# Altium PCB PicoPrint.PcbDoc (part 1 of 3)
Units mm, origin at the board's own origin, x right, y up, seen from the top; angles counter-clockwise.
Board outline 110 x 64 mm, 4 copper layers (Component Side, Ground Plane, Power Plane, Solder Side), stack 0.844 mm thick; 295 components, 209 nets, 1313 pads, 473 vias.
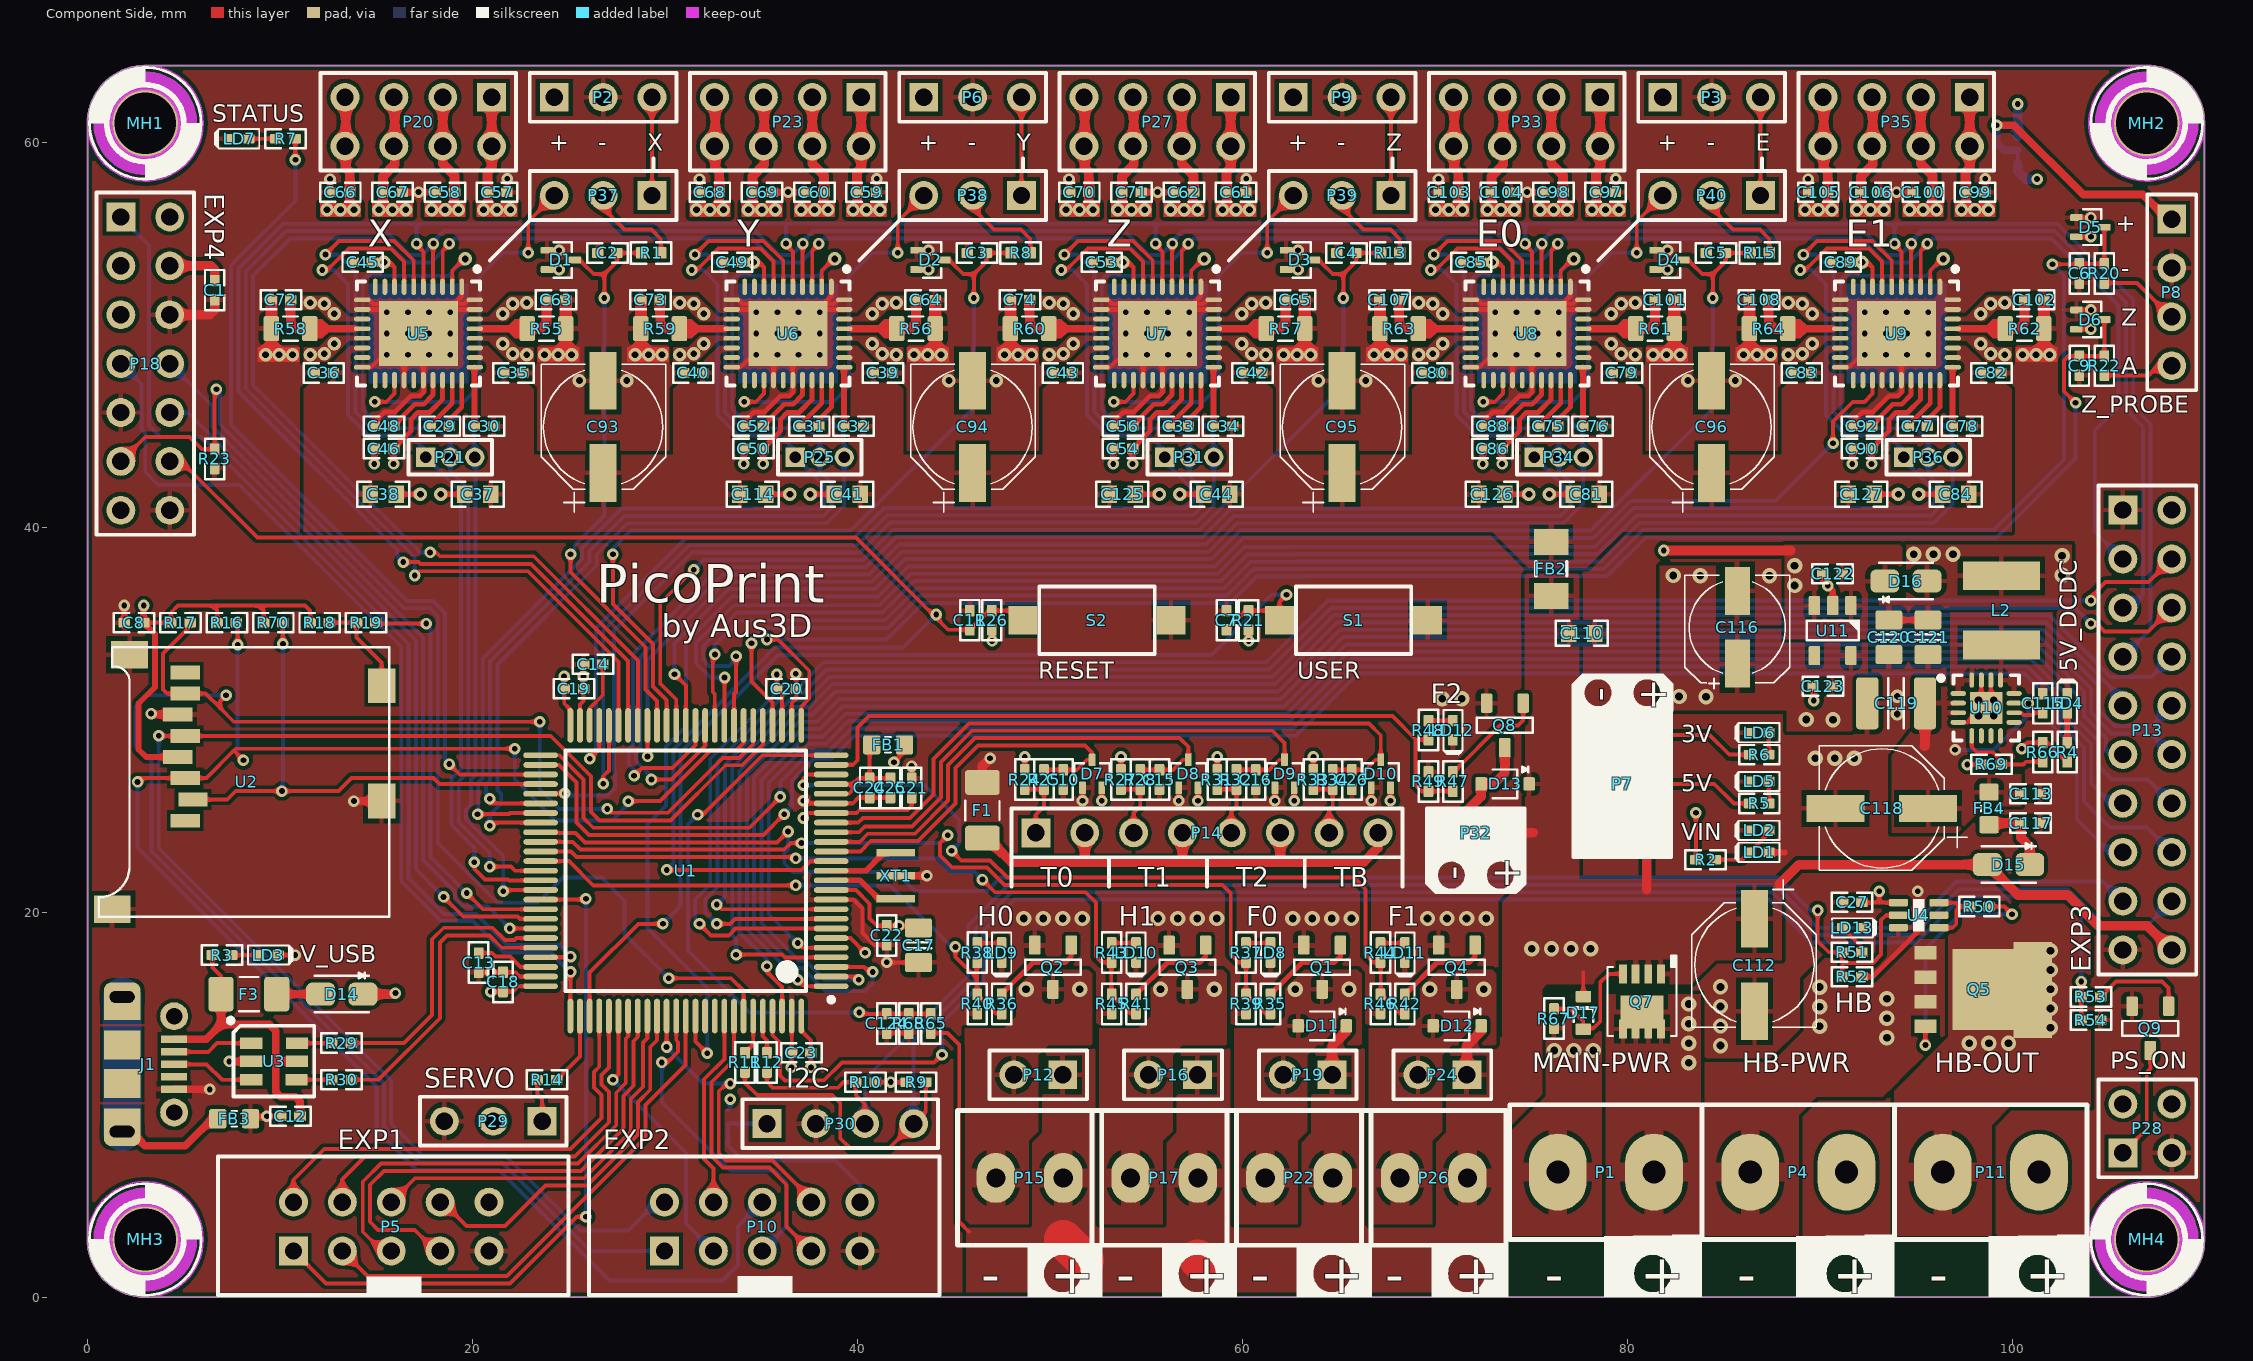
[diagram p0: Component Side view]
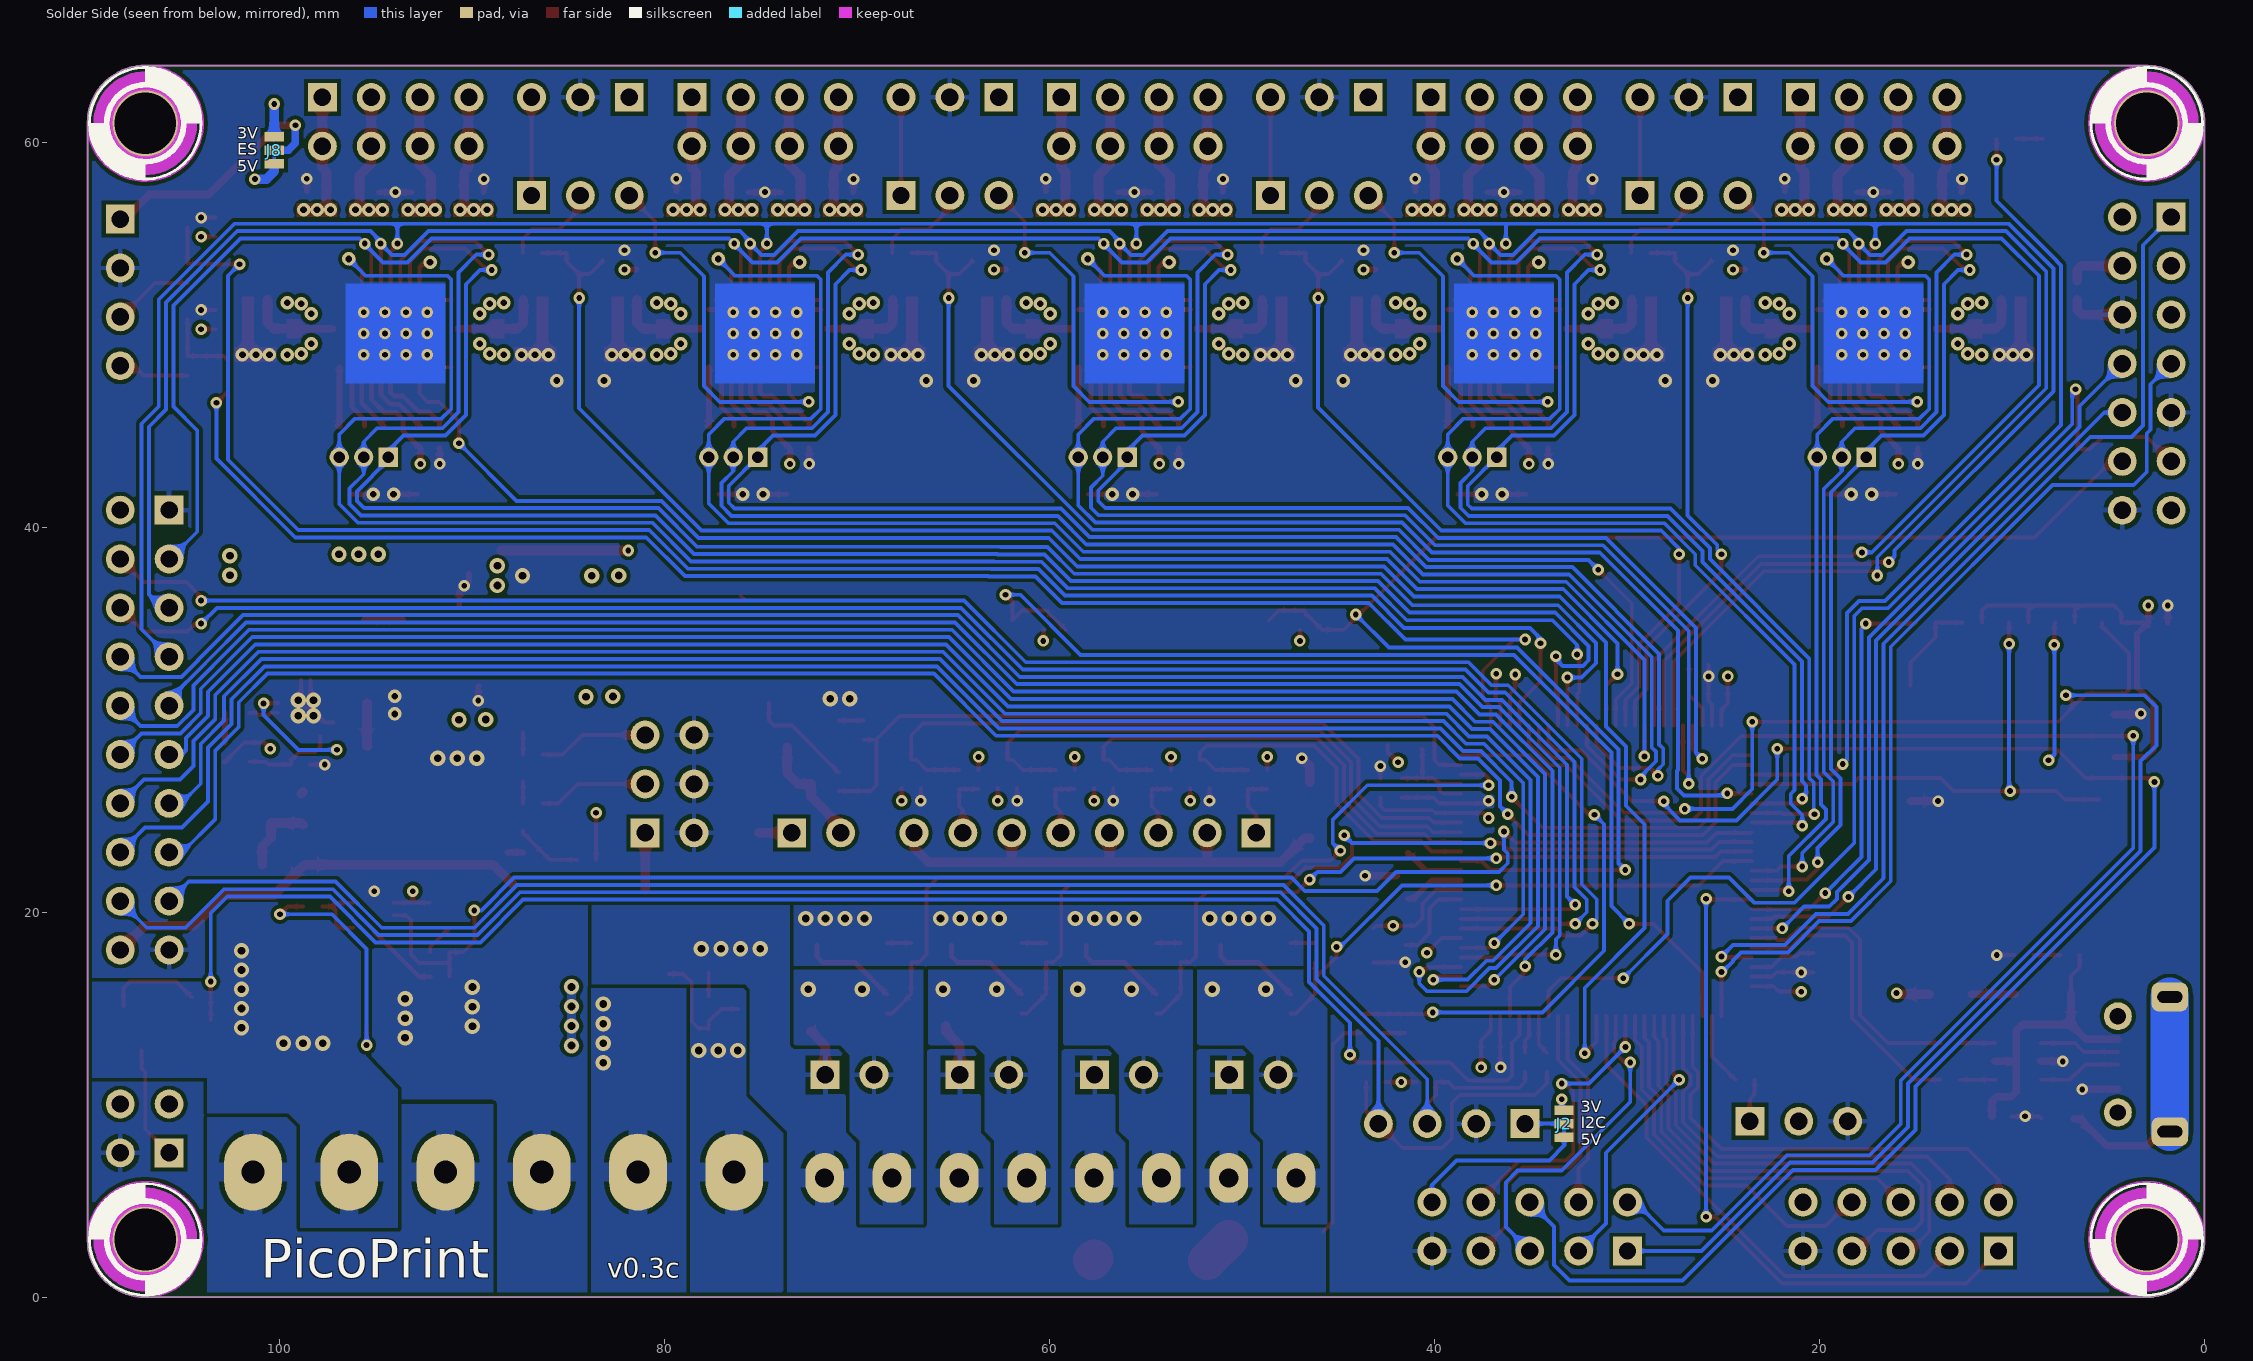
[diagram p1: Solder Side view, seen from below]
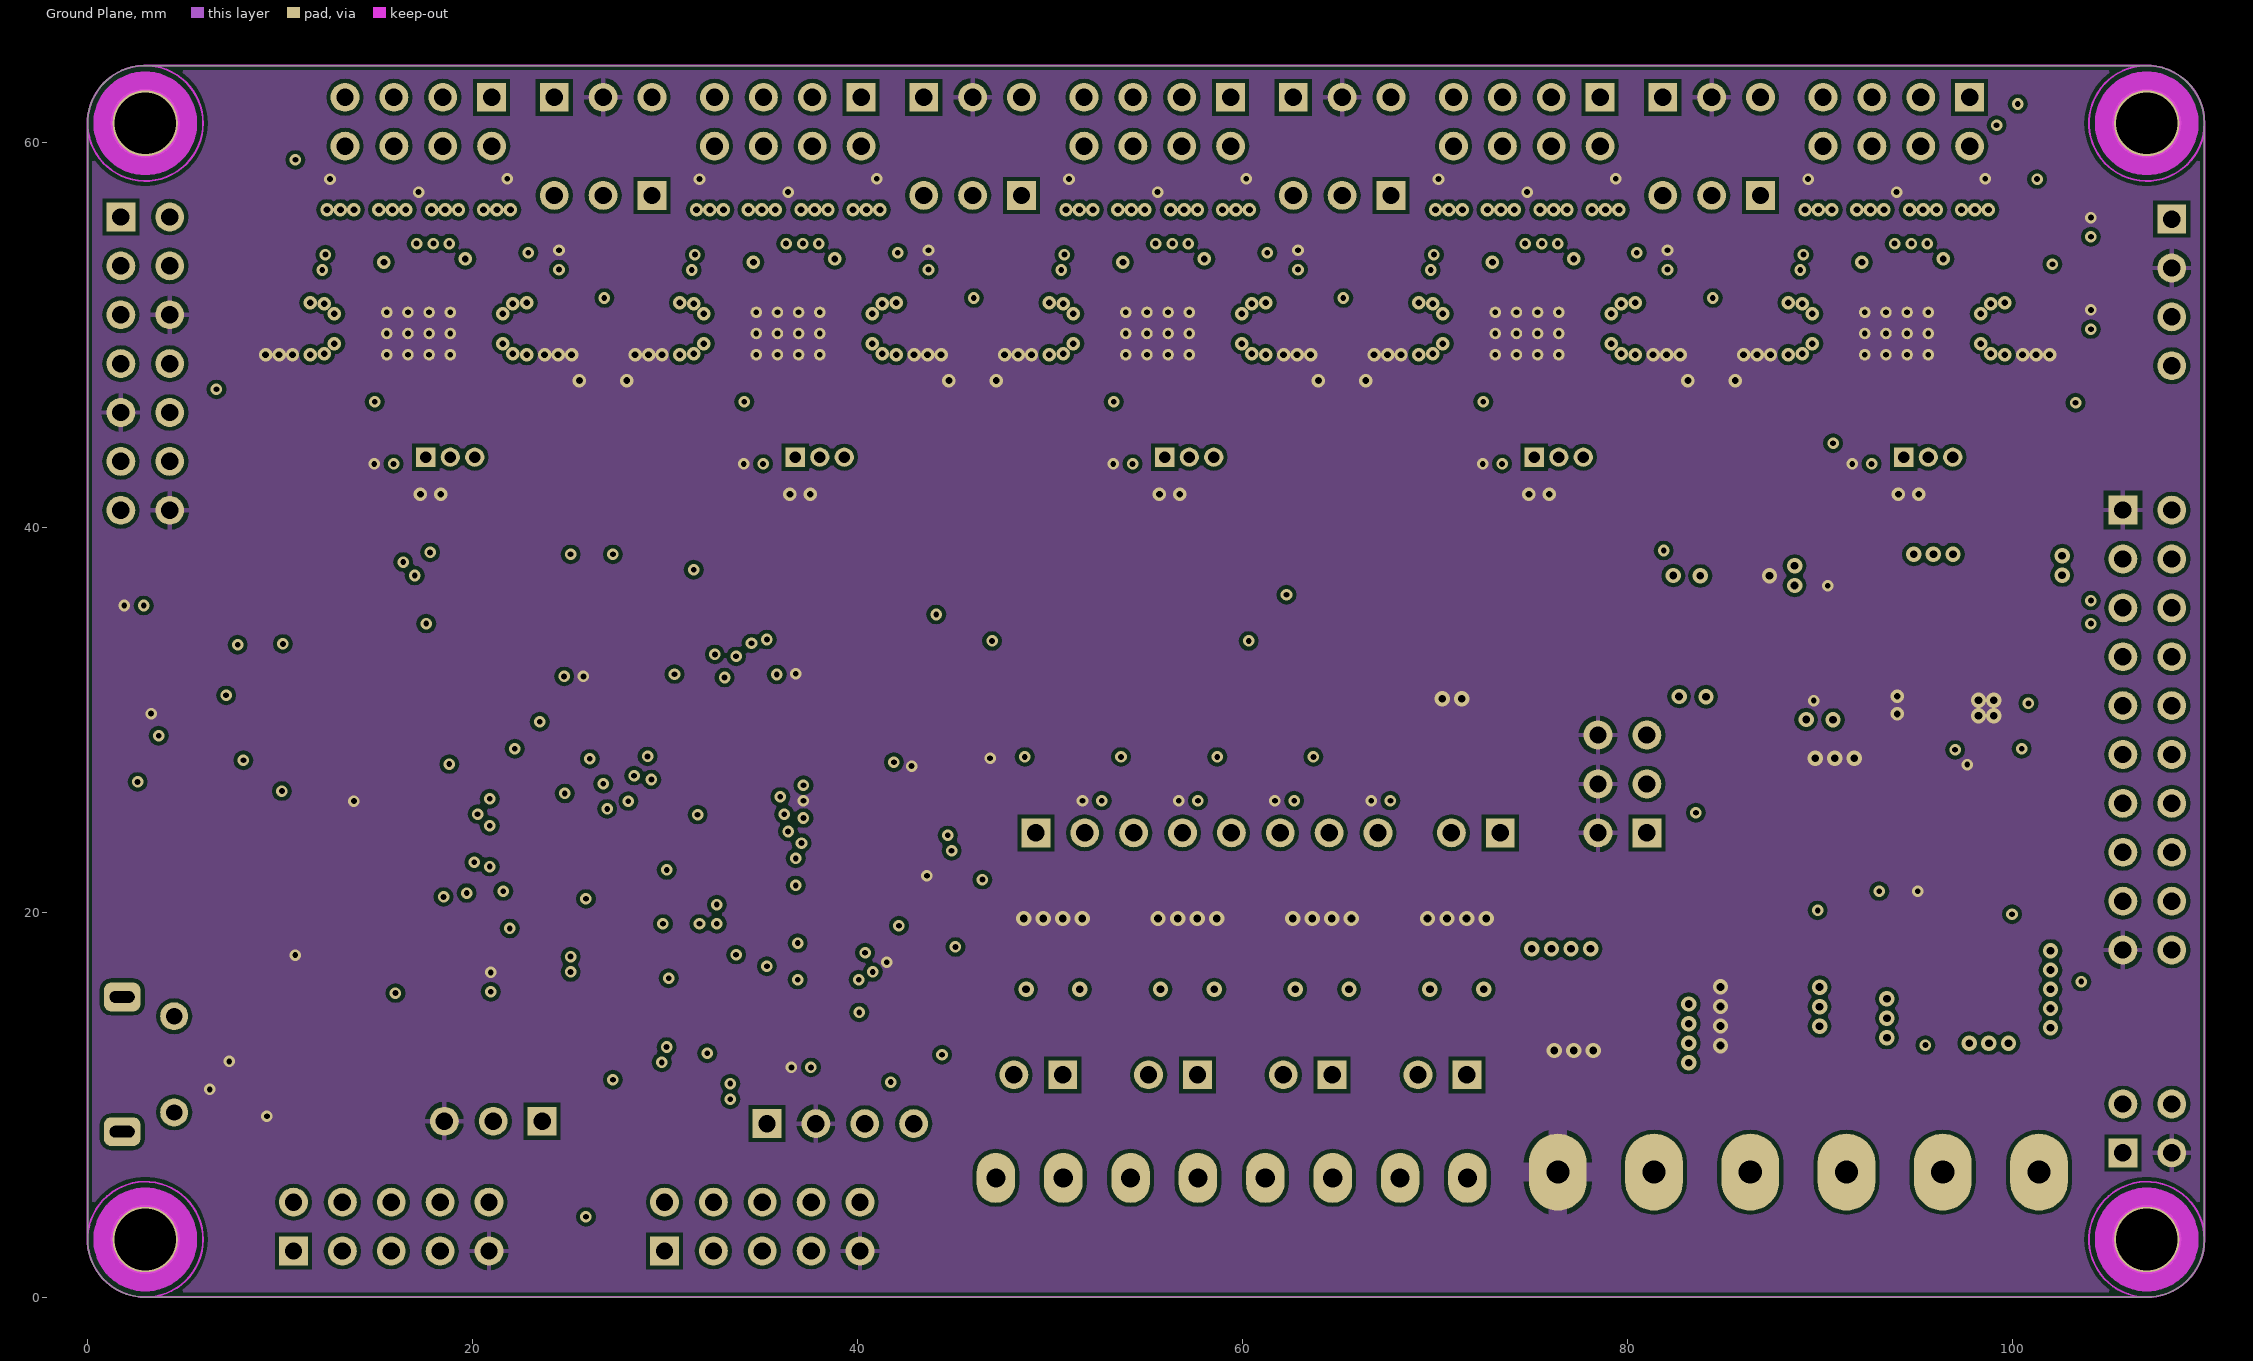
[diagram p2: Ground Plane]
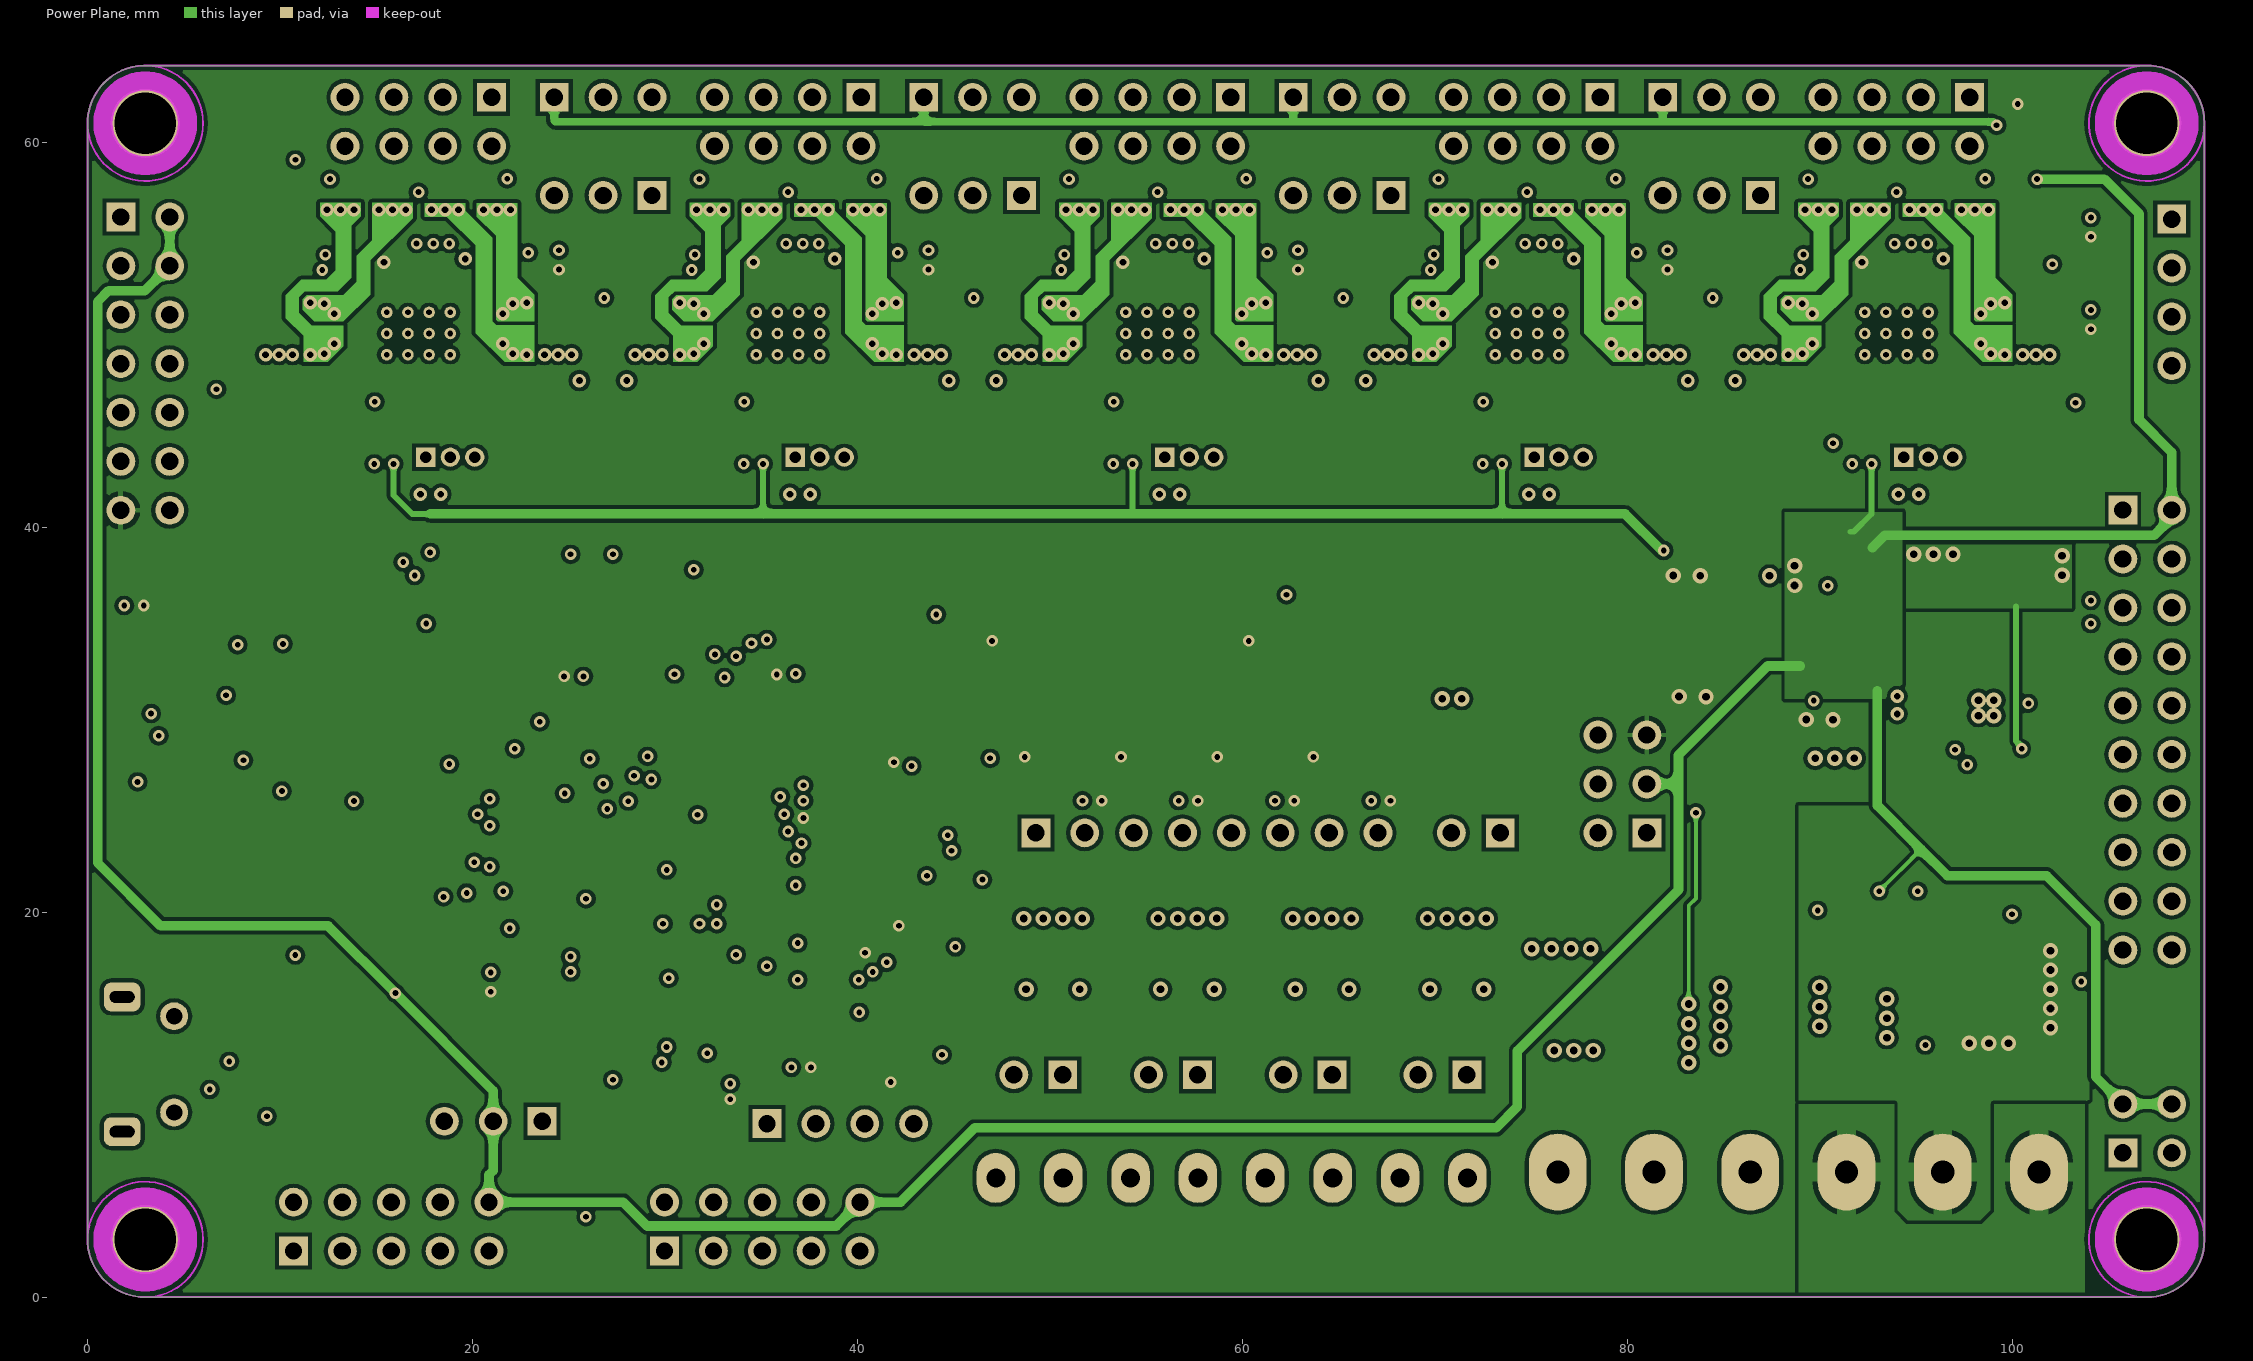
[diagram p3: Power Plane]
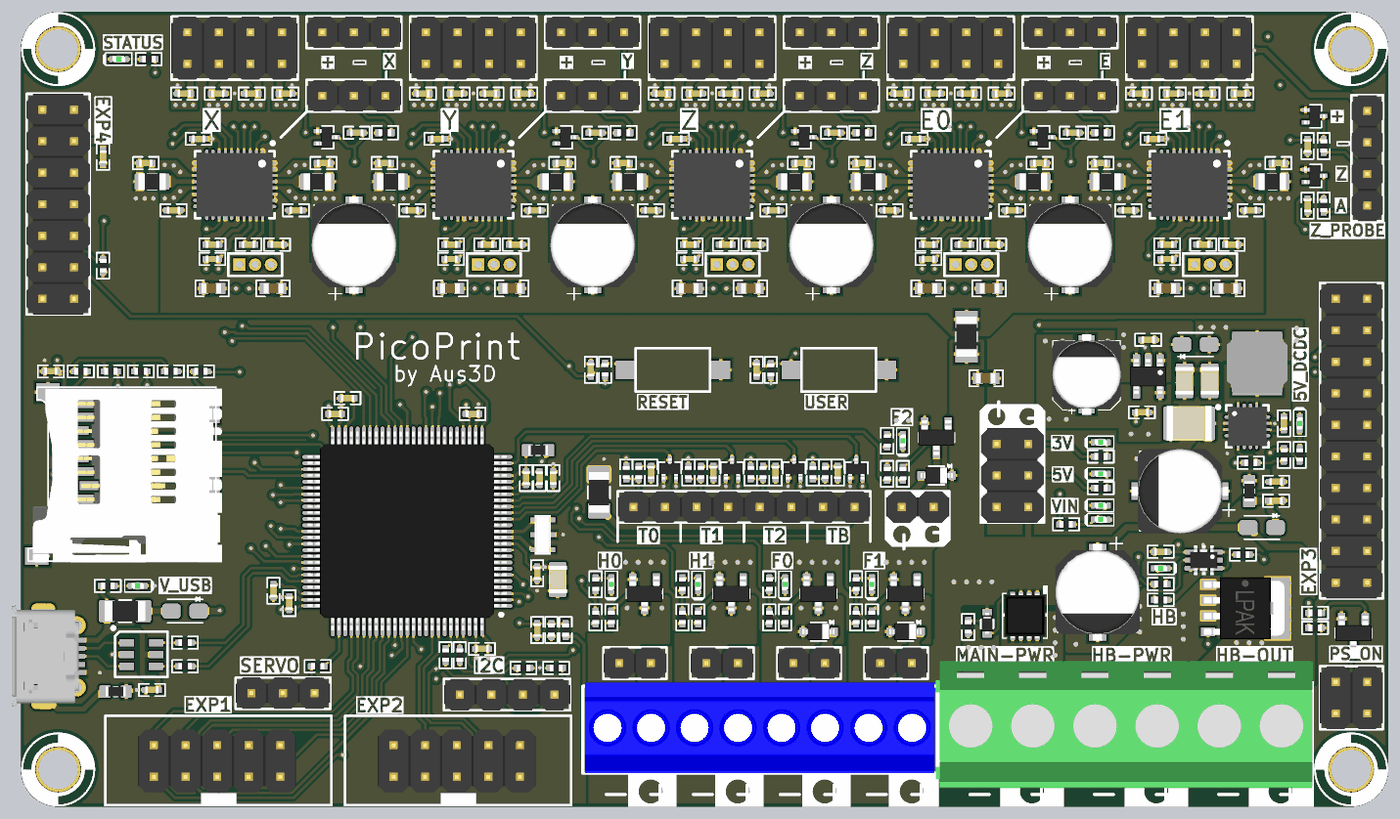
[diagram p6: 3D render of the assembled board from above, using the file's embedded part models]

## Layer stack, top to bottom
Top Solder: solder mask 0.0102, Solder Resist, Dk 3.5
Component Side: signal copper 0.0356
Dielectric 1: core 0.32, FR-4, Dk 4.8
Ground Plane: signal copper 0.036
Dielectric 3: prepreg 0.127, Dk 4.2
Power Plane: signal copper 0.036
Dielectric 4: core 0.254, Dk 4.2
Solder Side: signal copper 0.0356
Bottom Solder: solder mask 0.0102, Solder Resist, Dk 3.5

## Board outline
0,3 ccw(c3,3) 3,0 107,0 ccw(c107,3) 110,3 110,61 ccw(c107,61) 107,64 3,64 ccw(c3,61) 0,61

## Design rules (kind name [scope] priority, off if disabled: settings)
Clearance [All] p1: gap=0.2 ignorepadtopadclearanceinfootprint=FALSE except(0: Arc-Hole Track-Hole SMDPad-Hole THPad-Hole Via-Hole Fill-Hole Poly-Hole Region-Hole Text-Hole; 0.18: Track-Track)
DiffPairsRouting [All] p1: maxlimit=0.5 minlimit=0.2 mostfreqgap=0.2 toplayer_minwidth=0.2 toplayer_maxwidth=0.5 toplayer_prefwidth=0.2 midlayer1_minwidth=0.2 midlayer1_maxwidth=0.5 midlayer1_prefwidth=0.2 midlayer2_minwidth=0.2 midlayer2_maxwidth=0.5 midlayer2_prefwidth=0.2 bottomlayer_minwidth=0.2 bottomlayer_maxwidth=0.5 bottomlayer_prefwidth=0.2 maxuncoupledlength=12.7
HoleSize [All] p1: absolutevalues=TRUE maxlimit=4 minlimit=0.025 maxpercent=80.000 minpercent=20.000
MatchedLengths [(InNet('USB_D_N') OR InNet('USB_D_P'))] p1: tolerance=0.75 checknetsindiffpair=TRUE checkdiffpairvsdiffpair=FALSE checkxsignals=FALSE checkothers=FALSE
MinimumSolderMaskSliver [All] p1: minsoldermaskwidth=0.2
PolygonConnect PolygonConnect_1 [HasFootprint('Res 3216-1206') Or  HasFootprint('TQFP80P1200X1200X160-44N') Or InNet('NetC20_1') Or HasFootprint('LFPACK') Or HasFootprint('HDR2X4-HEADER') Or HasFootprint('TSQFP50P900X900X120_HS-49N') Or HasFootprint('QFN50P500X600X90_HS-37N')] p1: connectstyle=Direct reliefconductorwidth=0.254 reliefentries=4 polygonreliefangle="90 Angle" airgapwidth=0.254
PolygonConnect PolygonConnect_2 [IsVia] p2: connectstyle=Direct reliefconductorwidth=0.254 reliefentries=4 polygonreliefangle="90 Angle" airgapwidth=0.254
PolygonConnect PolygonConnect_3 [HasFootprint('TERM2 5MM') Or HasFootprint('TERM2 3.5MM')] p3: connectstyle=Relief reliefconductorwidth=1 reliefentries=4 polygonreliefangle="90 Angle" airgapwidth=0.25
PolygonConnect [All] p4: connectstyle=Relief reliefconductorwidth=0.25 reliefentries=4 polygonreliefangle="90 Angle" airgapwidth=0.25
RoutingVias [All] p1: holewidth=0.3 width=0.6 viastyle="Through Hole" minholewidth=0.3 minwidth=0.6 maxholewidth=0.5 maxwidth=1
SilkToSilkClearance [All] p1: silktosilkclearance=0.2
SilkToSolderMaskClearance [IsPad] p1: minsilkscreentomaskgap=0.15 clearancetoexposedcopper=TRUE
SolderMaskExpansion [All] p1: expansion=0.102
Width [All] p1: maxlimit=3 minlimit=0.2 preferedwidth=0.2
25 further rules are at their usual default settings.

## Classes and differential pairs
component class PicoPrint-Motors: C29 C30 C31 C32 C33 C34 C35 C36 C37 C38 C39 C40 C41 C42 C43 C44 C45 C46 C48 C49 C50 C52 C53 C54 C56 C57 C58 C59 C60 C61 C62 C63 C64 C65 C66 C67 C68 C69 C70 C71 C72 C73 C74 C75 C76 C77 C78 C79 C80 C81 C82 C83 C84 C85 C86 C88 C89 C90 C92 C93 C94 C95 C96 C97 C98 C99 C100 C101 C102 C103 C104 C105 C106 C107 C108 C114 C125 C126 C127 R55 R56 R57 R58 R59 R60 R61 R62 R63 R64 U5 U6 U7 U8 U9
component class PicoPrint-Power: C110 C112 C113 C115 C116 C117 C118 C119 C120 C121 C122 C123 C124 C? D14 D15 D16 D17 F3 FB2 FB4 J8 L2 Q7 R65 R66 R67 R68 R69 U10 U11
component class PicoPrint-MOSFETs: C27 D11 D12 D13 LD8 LD9 LD10 LD11 LD12 LD13 Q1 Q2 Q3 Q4 Q5 Q8 Q9 R35 R36 R37 R38 R39 R40 R41 R42 R43 R44 R45 R46 R47 R48 R49 R50 R51 R52 R53 R54 U4
component class PicoPrint-Main: C2 C3 C4 C5 C6 C7 C8 C9 C10 C11 C12 C13 C14 C15 C16 C17 C18 C19 C20 C21 C22 C23 C24 C25 C26 D1 D2 D3 D4 D5 D6 D7 D8 D9 D10 F1 FB1 FB3 IC2 J? LD1 LD2 LD3 LD4 LD5 LD6 LD7 MH1 MH2 MH3 MH4 P37 P38 P39 P40 R1 R2 R3 R4 R5 R6 R7 R8 R9 R10 R11 R12 R13 R14 R15 R16 R17 R18 R19 R20 R21 R22 R23 R24 R25 R26 R27 R28 R29 R30 R31 R32 R33 R34 R70 S1 S2 U1 U2 U3 XT1
component class PicoPrint-Connectors: C1 J1 J2 P1 P2 P3 P4 P5 P6 P7 P8 P9 P10 P11 P12 P13 P14 P15 P16 P17 P18 P19 P20 P21 P22 P23 P24 P25 P26 P27 P28 P29 P30 P31 P32 P33 P34 P35 P36
differential pair USB: +USB_P -USB_N
differential pair USB_D: +USB_D_P -USB_D_N

## Components (designator, comment, footprint, x,y, rotation, side; value= is the part's Value field where it differs from the comment)
C1 "CapC-0402-4.7uF-10V" "CAP 1005-0402" 6.604,52.324 r90 top value=4.7uF
C2 "CapC-0402-100nF" "CAP 1005-0402" 27.01,54.26 r0 top value=100nF
C3 "CapC-0402-100nF" "CAP 1005-0402" 46.21,54.26 r0 top value=100nF
C4 "CapC-0402-100nF" "CAP 1005-0402" 65.41,54.26 r0 top value=100nF
C5 "CapC-0402-100nF" "CAP 1005-0402" 84.61,54.26 r0 top value=100nF
C6 "CapC-0402-100nF" "CAP 1005-0402" 103.5,53.2 r90 top value=100nF
C7 "CapC-0402-100nF" "CAP 1005-0402" 59.182,35.179 r270 top value=100nF
C8 "CapC-0402-4.7uF-10V" "CAP 1005-0402" 2.413,35.052 r0 top value=4.7uF
C9 "CapC-0402-100nF" "CAP 1005-0402" 103.5,48.4 r90 top value=100nF
C10 "CapC-0402-1uF-10V" "CAP 1005-0402" 50.7,26.9 r90 top value=1uF
C11 "CapC-0402-100nF" "CAP 1005-0402" 45.847,35.179 r270 top value=100nF
C12 "CapC-0402-100nF" "CAP 1005-0402" 10.541,9.398 r0 top value=100nF
C13 "CapC-0402-4.7uF-10V" "CAP 1005-0402" 20.32,17.383 r90 top value=4.7uF
C14 "CapC-0402-4.7uF-10V" "CAP 1005-0402" 26.273,32.893 r0 top value=4.7uF
C15 "CapC-0402-1uF-10V" "CAP 1005-0402" 55.7,26.9 r90 top value=1uF
C16 "CapC-0402-1uF-10V" "CAP 1005-0402" 60.7,26.9 r90 top value=1uF
C17 "CapC-0805-10uF 6.3V" CAPC2012X135N 43.18,18.288 r90 top value=10uF
C18 "CapC-0402-4.7uF-10V" "CAP 1005-0402" 21.59,16.383 r270 top value=4.7uF
C19 "CapC-0402-100nF" "CAP 1005-0402" 25.273,31.623 r180 top value=100nF
C20 "CapC-0402-100nF" "CAP 1005-0402" 36.322,31.623 r180 top value=100nF
C21 "CapC-0402-100nF" "CAP 1005-0402" 42.821,26.46 r270 top value=100nF
C22 "CapC-0402-100nF" "CAP 1005-0402" 41.529,18.804 r90 top value=100nF
C23 "CapC-0402-100nF" "CAP 1005-0402" 37.09,12.705 r0 top value=100nF
C24 "CapC-0402-100nF" "CAP 1005-0402" 40.64,26.462 r90 top value=100nF
C25 "CapC-0402-4.7uF-10V" "CAP 1005-0402" 41.722,26.462 r90 top value=4.7uF
C26 "CapC-0402-1uF-10V" "CAP 1005-0402" 65.7,26.9 r90 top value=1uF
C27 "CapC-0402-4.7uF-10V" "CAP 1005-0402" 91.694,20.523 r180 top value=4.7uF
C29 "CapC-0402-22nF-50V" "CAP 1005-0402" 18.304,45.264 r0 top value=22nF
C30 "CapC-0402-100nF-50V" "CAP 1005-0402" 20.604,45.264 r180 top value=100nF
C31 "CapC-0402-22nF-50V" "CAP 1005-0402" 37.504,45.264 r0 top value=22nF
C32 "CapC-0402-100nF-50V" "CAP 1005-0402" 39.804,45.264 r180 top value=100nF
C33 "CapC-0402-22nF-50V" "CAP 1005-0402" 56.704,45.264 r0 top value=22nF
C34 "CapC-0402-100nF-50V" "CAP 1005-0402" 59.004,45.264 r180 top value=100nF
C35 "CapC-0402-100nF-50V" "CAP 1005-0402" 22.125,48.025 r0 top value=100nF
C36 "CapC-0402-100nF-50V" "CAP 1005-0402" 12.275,48.025 r180 top value=100nF
C37 "CapC-0603-1uF 50V" "Cap 1608-0603" 20.325,41.725 r0 top value=1uF
C38 "CapC-0603-1uF 50V" "Cap 1608-0603" 15.325,41.725 r180 top value=1uF
C39 "CapC-0402-100nF-50V" "CAP 1005-0402" 41.325,48.025 r0 top value=100nF
C40 "CapC-0402-100nF-50V" "CAP 1005-0402" 31.475,48.025 r180 top value=100nF
C41 "CapC-0603-1uF 50V" "Cap 1608-0603" 39.525,41.725 r0 top value=1uF
C42 "CapC-0402-100nF-50V" "CAP 1005-0402" 60.525,48.025 r0 top value=100nF
C43 "CapC-0402-100nF-50V" "CAP 1005-0402" 50.675,48.025 r180 top value=100nF
C44 "CapC-0603-1uF 50V" "Cap 1608-0603" 58.725,41.725 r0 top value=1uF
C45 "CapC-0402-100nF" "CAP 1005-0402" 14.3,53.775 r0 top value=100nF
C46 "CapC-0402-470nF" "CAP 1005-0402" 15.4,44.1 r0 top value=470nF
C48 "CapC-0402-4.7uF-10V" "CAP 1005-0402" 15.404,45.264 r0 top value=4.7uF
C49 "CapC-0402-100nF" "CAP 1005-0402" 33.5,53.775 r0 top value=100nF
C50 "CapC-0402-470nF" "CAP 1005-0402" 34.6,44.1 r0 top value=470nF
C52 "CapC-0402-4.7uF-10V" "CAP 1005-0402" 34.604,45.264 r0 top value=4.7uF
C53 "CapC-0402-100nF" "CAP 1005-0402" 52.7,53.775 r0 top value=100nF
C54 "CapC-0402-470nF" "CAP 1005-0402" 53.8,44.1 r0 top value=470nF
C56 "CapC-0402-4.7uF-10V" "CAP 1005-0402" 53.804,45.264 r0 top value=4.7uF
C57 "CapC-0402-470pF-100V" "CAP 1005-0402" 21.284,57.414 r180 top value=470pF
C58 "CapC-0402-470pF-100V" "CAP 1005-0402" 18.567,57.414 r0 top value=470pF
C59 "CapC-0402-470pF-100V" "CAP 1005-0402" 40.484,57.414 r180 top value=470pF
C60 "CapC-0402-470pF-100V" "CAP 1005-0402" 37.767,57.414 r0 top value=470pF
C61 "CapC-0402-470pF-100V" "CAP 1005-0402" 59.684,57.414 r180 top value=470pF
C62 "CapC-0402-470pF-100V" "CAP 1005-0402" 56.967,57.414 r0 top value=470pF
C63 "CapC-0402-100nF" "CAP 1005-0402" 24.35,51.825 r0 top value=100nF
C64 "CapC-0402-100nF" "CAP 1005-0402" 43.55,51.825 r0 top value=100nF
C65 "CapC-0402-100nF" "CAP 1005-0402" 62.75,51.825 r0 top value=100nF
C66 "CapC-0402-470pF-100V" "CAP 1005-0402" 13.134,57.414 r180 top value=470pF
C67 "CapC-0402-470pF-100V" "CAP 1005-0402" 15.851,57.414 r0 top value=470pF
C68 "CapC-0402-470pF-100V" "CAP 1005-0402" 32.334,57.414 r180 top value=470pF
C69 "CapC-0402-470pF-100V" "CAP 1005-0402" 35.051,57.414 r0 top value=470pF
C70 "CapC-0402-470pF-100V" "CAP 1005-0402" 51.534,57.414 r180 top value=470pF
C71 "CapC-0402-470pF-100V" "CAP 1005-0402" 54.251,57.414 r0 top value=470pF
C72 "CapC-0402-100nF" "CAP 1005-0402" 10.05,51.825 r180 top value=100nF
C73 "CapC-0402-100nF" "CAP 1005-0402" 29.25,51.825 r180 top value=100nF
C74 "CapC-0402-100nF" "CAP 1005-0402" 48.45,51.825 r180 top value=100nF
C75 "CapC-0402-22nF-50V" "CAP 1005-0402" 75.904,45.264 r0 top value=22nF
C76 "CapC-0402-100nF-50V" "CAP 1005-0402" 78.204,45.264 r180 top value=100nF
C77 "CapC-0402-22nF-50V" "CAP 1005-0402" 95.104,45.264 r0 top value=22nF
C78 "CapC-0402-100nF-50V" "CAP 1005-0402" 97.404,45.264 r180 top value=100nF
C79 "CapC-0402-100nF-50V" "CAP 1005-0402" 79.725,48.025 r0 top value=100nF
C80 "CapC-0402-100nF-50V" "CAP 1005-0402" 69.875,48.025 r180 top value=100nF
C81 "CapC-0603-1uF 50V" "Cap 1608-0603" 77.925,41.725 r0 top value=1uF
C82 "CapC-0402-100nF-50V" "CAP 1005-0402" 98.925,48.025 r0 top value=100nF
C83 "CapC-0402-100nF-50V" "CAP 1005-0402" 89.075,48.025 r180 top value=100nF
C84 "CapC-0603-1uF 50V" "Cap 1608-0603" 97.125,41.725 r0 top value=1uF
C85 "CapC-0402-100nF" "CAP 1005-0402" 71.9,53.775 r0 top value=100nF
C86 "CapC-0402-470nF" "CAP 1005-0402" 73,44.1 r0 top value=470nF